# Altium PCB IDC_MCX_Adapter.PCBDOC (part 2 of 2)
Units mm, origin at the board's own origin, x right, y up, seen from the top; angles counter-clockwise.
Board outline 125.1 x 100.1 mm, 4 copper layers (L1, L2, L3, L4), stack 1.527 mm thick; 264 components, 197 nets, 810 pads, 0 vias.
Unrouted connection lines stored in the file: 146.
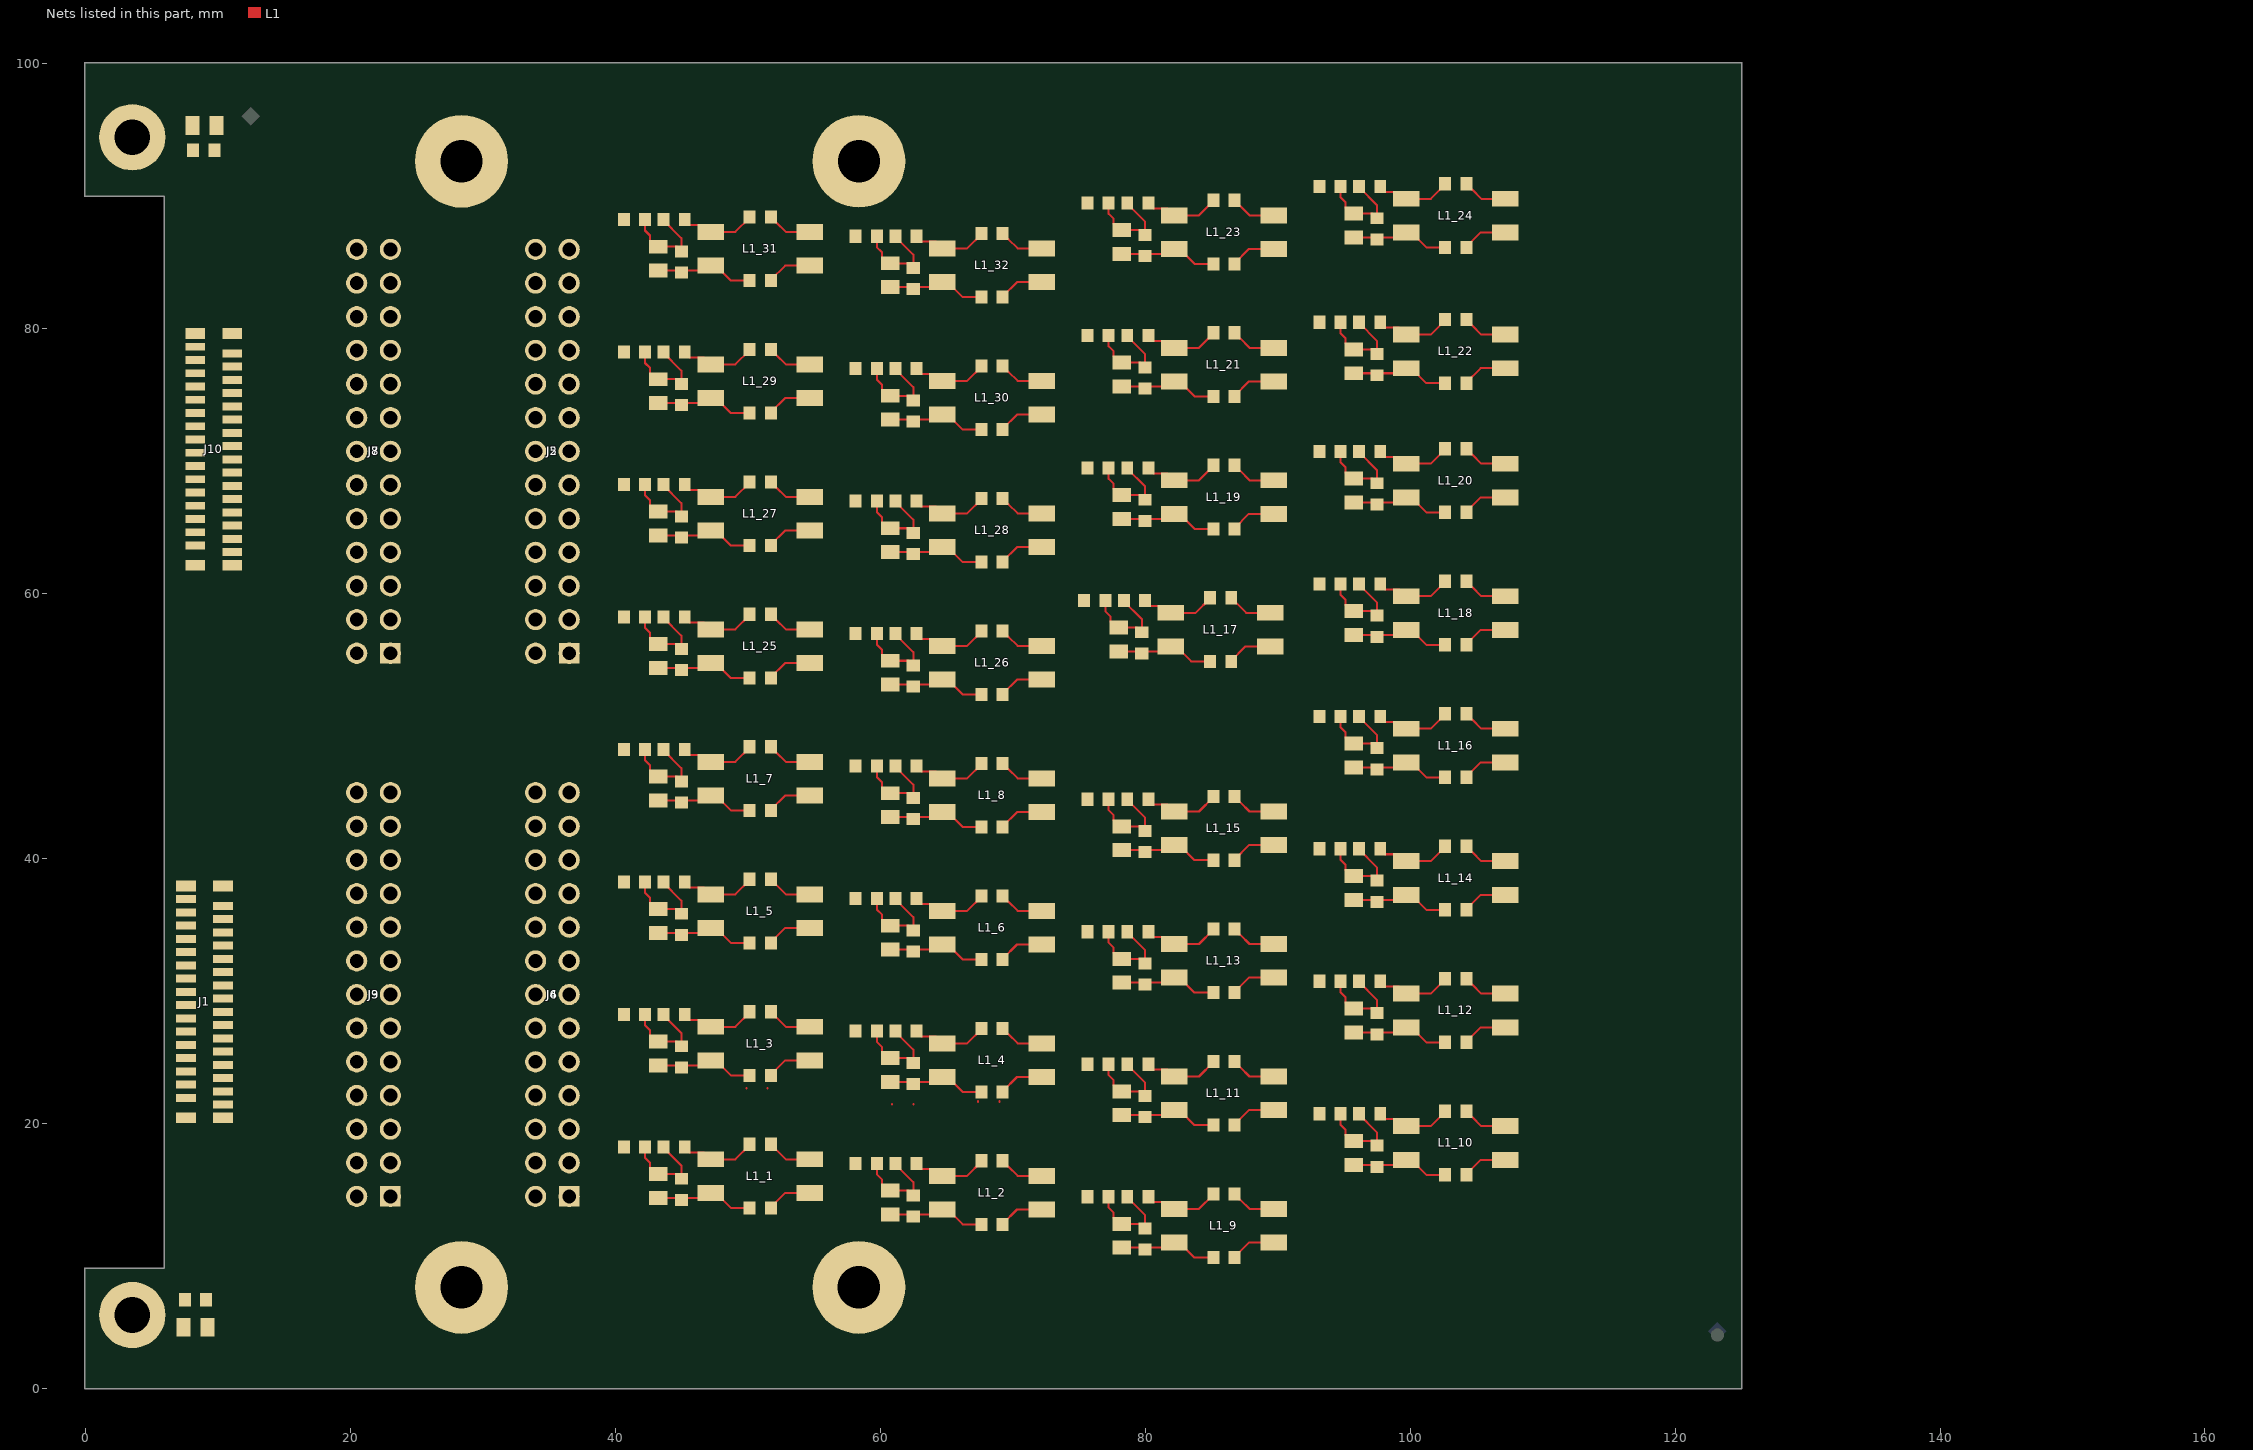
[diagram p3: the nets of this part, all layers, seen from the top]

## Part data
B1 B7: library part PLATED_HOLE2.7_PAD5.0, "Single Terminal Socket", Author="CERN DEM JMW", ComponentHeight=0mm, Component Type="Standard (No BOM)", CreateDate=27.09.2011, Family="Plated Hole", HelpURL=Undefined, LatestRevisionDate=27.09.2011, Mounted=No, PackageDescription="Plated Through Hole: Hole Dia.=2.7mm Pad Dia.=5.0mm", Part Description="Plated Through Hole: Hole Dia.=2.7mm Pad Dia.=5.0mm", Part Number=PLATED_HOLE2.7_PAD5.0, Pin Count=1, Sense=No, SMD=No, Socket=No, Status=None
B2 B3 B4 B5: library part PLATED_HOLE3.2_PAD7.0, "Single Terminal Socket", Author="CERN DEM JMW", Component Type="Standard (No BOM)", ComponentHeight=0mm, CreateDate=28.11.2017, Family="Plated Hole", HelpURL=Undefined, LatestRevisionDate=28.11.2017, Mounted=No, PackageDescription="Plated Through Hole: Hole Dia.=3.2mm Pad Dia.=7.0mm", Part Description="Plated Through Hole: Hole Dia.=3.2mm Pad Dia.=7.0mm", Part Number=PLATED_HOLE3.2_PAD7.0, Pin Count=1, Sense=No, SMD=No, Socket=No, Status=None
C1_1 C1_2 C1_3 C1_4 C1_5 C1_6 C1_7 C1_8 C1_9 C1_10 C1_11 C1_12 C1_13 C1_14 C1_15 C1_16 C1_17 C1_18 C1_19 C1_20 C1_21 C1_22 C1_23 C1_24 C1_25 C1_26 C1_27 C1_28 C1_29 C1_30 C1_31 C1_32 C11 C15: library part CC0805_NO-VALUE, "Non-polarised capacitor", Case=0805, Manufacturer1 ComponentHeight=1.35mm, Author="CERN DEM JLC", Component Type=Standard, CreateDate=10.12.2008, HelpURL=Undefined, LatestRevisionDate=11.09.2013, Manufacturer=Undefined, Manufacturer Part Number=CC0805_NO-VALUE, Mounted=No, Part Description="Reserved Footprint For 0805(2012) Chip Ceramic Capacitor", Part Number=CC0805_NO-VALUE, Pin Count=2, Sense=No, SMD=Yes, Socket=No, Status=None
FTG1: library part FIDUCIAL_TARGET_C100-200, "Fiducial Target", Author="CERN DEM JLC", ComponentHeight=0mm, Component Type="Standard (No BOM)", CreateDate=09.02.2010, Family=Fiducial, HelpURL=Undefined, LatestRevisionDate=04.04.2012, Mounted=No, PackageDescription="Round Fiducial Target, Top Layer, 1.0mm, Top Solder 2.0mm, Keepout =2.0mm", Part Description="Round Fiducial Target, Top Layer, 1.0mm, Top Solder 2.0mm, Keepout =2.0mm", Part Number=FIDUCIAL_TARGET_C100-200, Pin Count=1, Sense=No, SMD=Yes, Socket=No, Status=None
FTG2 FTG3 FTG4: library part FIDUCIAL_TARGET_S100-200, "Fiducial Target", Author="CERN DEM JLC", ComponentHeight=0mm, Component Type="Standard (No BOM)", CreateDate=09.02.2010, Family=Fiducial, HelpURL=Undefined, LatestRevisionDate=04.04.2012, Mounted=No, PackageDescription="Square Fiducial Target, Top Layer, 1.0mm, Top Solder 2.0mm, Keepout =2.0mm", Part Description="Square Fiducial Target, Top Layer, 1.0mm, Top Solder 2.0mm, Keepout =2.0mm", Part Number=FIDUCIAL_TARGET_S100-200, Pin Count=1, Sense=No, SMD=Yes, Socket=No, Status=None
J1 J10: library part CMP-1241-00306-1, "0.5 mm Pitch Easy-On(TM) Type FPC Connector, 3.9 mm Mated Height, Vertical, ZIF, SMT, 32 Circuits, -40 to 85 degC, ELV and RoHS Compliant, Tape and Reel", Current (Max per Contact)=0.5A, Manufacturer=Molex, Voltage (Max)="50V AC (RMS)/DC", Circuits (Loaded)=32, ComponentLink1Description="Manufacturer URL", ComponentLink1URL=http://www.molex.com/molex/index.jsp, ComponentLink2Description=Datasheet, ComponentLink2URL=http://www.molex.com/webdocs/datasheets/pdf/en-us/0525593252_FFC_FPC_CONNECTORS.pdf, ComponentLink3Description="Package Specification", ComponentLink3URL=http://www.molex.com/pdm_docs/sd/525593252_sd.pdf, Contact Position=N/A, Durability (mating cycles max)=20, Entry Angle=Vertical, Mated Height=3.90mm, Material - Metal="Phosphor Bronze", Material - Plating Mating=Gold, Material - Plating Termination=Tin, Mounting Technology="Surface Mount", Number of Rows=1, Orientation=Vertical, PackageDescription="32-Lead FPC Connector, Pitch 0.5 mm", PackageReference=52559-3252, PackageVersion="Rev. B, 12/2011", Packing="Tape and Reel", PartNumber=52559-3252, PCB Locator=No, PCB Retention=Yes, Pitch - Mating Interface=0.50mm, Polarized to PCB=No, RoHS=TRUE, Stackable=No
J2 J6 J8 J9: library part CMP-1023-00053-1, "Elevated Socket, Through-hole, Vertical, -55 to 125 degC, 2.54 mm Pitch, 26-Pin, Female, RoHS", Manufacturer=Samtec, Temperature Range="-55 to 125 degC", ComponentLink1Description="Manufacturer URL", ComponentLink1URL=http://www.samtec.com, ComponentLink2Description=Datasheet, ComponentLink2URL=http://www.samtec.com/documents/webfiles/pdf/ESW_TH.PDF, ComponentLink3Description="Package Specification", ComponentLink3URL=http://www.samtec.com/documents/webfiles/cpdf/ESW-1XX-XX-X-X-XX-XX-MKT.pdf, DatasheetVersion=F-214, Mounting Technology=Through-hole, Orientation=Vertical, PackageDescription="ESW Strip ASM", PackageReference=ESW-113-23-X-D, PackageVersion="AV, 7/1985", PartNumber=ESW-113-23-L-D, Pitch="2.54 mm", RoHS=True
J3 J4 J5 J7: library part 3M_N2526-6002RB, "Connector 26 Male", Manufacturer=3M, Manufacturer Part Number=N2526-6002RB, Author="CERN DEM JLC", ComponentHeight=10.03mm, Component Type=Standard, CreateDate=11.02.2009, Family="Header 26", HelpURL=\\cern.ch\dfs\Applications\Altium\Datasheets\3M_N2526-6002RB.pdf, LatestRevisionDate=11.08.2009, Mounted=Yes, Part Description="26 Contacts - Straight .100'' x .100'' Low Profile Four-Wall Header, 2500 Series", Part Number=3M_N2526-6002RB, Pin Count=26, PressFit=No, Sense=No, SMD=No, Socket=No, Status=None
L1_1 L1_2 L1_3 L1_4 L1_5 L1_6 L1_7 L1_8 L1_9 L1_10 L1_11 L1_12 L1_13 L1_14 L1_15 L1_16 L1_17 L1_18 L1_19 L1_20 L1_21 L1_22 L1_23 L1_24 L1_25 L1_26 L1_27 L1_28 L1_29 L1_30 L1_31 L1_32: library part IND_6.5MH_50%_WURTH_WE-SL2-744229, "Inductor Common Mode", Manufacturer="WURTH ELEKTRONIK", Manufacturer Part Number=744229, Power=400mA, Resistance=0.95R, Tolerance=±50%, Author="CERN DEM JLC", Component Type=Standard, ComponentHeight=5.3mm, CreateDate=01.10.2012, HelpURL=\\cern.ch\dfs\Applications\Altium\Datasheets\IND_WURTH_WE-SL2_744229.pdf, LatestRevisionDate=15.10.2012, Mounted=Yes, Part Description="Common Mode SMD Line Filter (WE-SL2 Serie)", Part Number=IND_6.5MH_50%_WURTH_WE-SL2-744229, Pin Count=4, Sense=No, SMD=Yes, Socket=No, Status=None
R1_1 R1_2 R1_3 R1_4 R1_5 R1_6 R1_7 R1_8 R1_9 R1_10 R1_11 R1_12 R1_13 R1_14 R1_15 R1_16 R1_17 R1_18 R1_19 R1_20 R1_21 R1_22 R1_23 R1_24 R1_25 R1_26 R1_27 R1_28 R1_29 R1_30 R1_31 R1_32 R2_1 R2_2 R2_3 R2_4 R2_5 R2_6 R2_7 R2_8 R2_9 R2_10 R2_11 R2_12 R2_13 R2_14 R2_15 R2_16 R2_17 R2_18 R2_19 R2_20 R2_21 R2_22 R2_23 R2_24 R2_25 R2_26 R2_27 R2_28 R2_29 R2_30 R2_31 R2_32 R3_1 R3_2 R3_3 R3_4 R3_5 R3_6 R3_7 R3_8 R3_9 R3_10 R3_11 R3_12 R3_13 R3_14 R3_15 R3_16 R3_17 R3_18 R3_19 R3_20 R3_21 R3_22 R3_23 R3_24 R3_25 R3_26 R3_27 R3_28 R3_29 R3_30 R3_31 R3_32 R5_1 R5_2 R5_3 R5_4 R5_5 R5_6 R5_7 R5_8 R5_9 R5_10 R5_11 R5_12 R5_13 R5_14 R5_15 R5_16 R5_17 R5_18 R5_19 R5_20 R5_21 R5_22 R5_23 R5_24 R5_25 R5_26 R5_27 R5_28 R5_29 R5_30 R5_31 R5_32 R17 R23: library part R0603_0R_JUMPER, "Resistor", Case=0603, Manufacturer=GENERIC, Manufacturer1 ComponentHeight=0.55mm, Manufacturer1 Example="NIC COMPONENT", Manufacturer1 Part Number=NRC06Z0, Author="CERN DEM JLC", Component Type=Standard, CreateDate=03.12.2007, HelpURL=\\cern.ch\dfs\Applications\Altium\Datasheets\R0603_NIC_NRC.pdf, LatestRevisionDate=13.03.2008, Manufacturer Part Number=R0603_0R_JUMPER, Mounted=Yes, Part Description="1A (0.05R Max DC Resistance) Zero Ohm Jumper", Part Number=R0603_0R_JUMPER, Pin Count=2, Sense=No, SMD=Yes, Socket=No, Status=Preferred
  R17 R23: PressFit=No
R4_1 R4_2 R4_3 R4_4 R4_5 R4_6 R4_7 R4_8 R4_9 R4_10 R4_11 R4_12 R4_13 R4_14 R4_15 R4_16 R4_17 R4_18 R4_19 R4_20 R4_21 R4_22 R4_23 R4_24 R4_25 R4_26 R4_27 R4_28 R4_29 R4_30 R4_31 R4_32: library part R0603_NO-VALUE, "Resistor", Case=0603, Author="CERN DEM JLC", Component Type=Standard, CreateDate=03.12.2007, HelpURL=Undefined, LatestRevisionDate=13.03.2008, Manufacturer=Undefined, Manufacturer1 ComponentHeight=Undefined, Manufacturer1 Example=Undefined, Manufacturer1 Part Number=Undefined, Manufacturer Part Number=R0603_NO-VALUE, Mounted=No, Part Description="Reserved Footprint For a 0603 (1608) Chip Resistor", Part Number=R0603_NO-VALUE, Pin Count=2, PressFit=No, Sense=No, SMD=Yes, Socket=No, Status=None
SCREW3 SCREW4 SCREW5 SCREW6 SCREW7 SCREW8 SCREW9 SCREW10: library part BOSSARD_BN5687-3061605_v, "Screw", Manufacturer=BOSSARD, Manufacturer Part Number="BN5687 Art.3061605", Author="CERN DEM JLC", Component Type=Mechanical, ComponentHeight=2.4mm, CreateDate=15.01.2013, HelpURL=\\cern.ch\dfs\Applications\Altium\Datasheets\BOSSARD_BN5687-3061605.pdf, LatestRevisionDate=15.01.2013, Mounted=Yes, PackageDescription="M3 L=6mm Hexalobular Socket Pan Head Screw, Fully Threaded - Stainless Steel A2", Part Description="M3 L=6mm Hexalobular Socket Pan Head Screw, Fully Threaded, Stainless Steel A2", Part Number=BOSSARD_BN5687-3061605_v, Pin Count=0, PressFit=No, Sense=No, SMD=No, Socket=No, Status=None
ST1 ST3 ST4 ST5: library part STANDOFF_HARWIN_R30_1001802, "M3.0x18 standoff", Manufacturer=Harwin, Manufacturer Part Number=R30-1001802
W1 W2 W3 W4: "M3 Washer: / ID: 3.2mm / OD: 6mm / Thickness 0.8mm", Manufacturer="Accu Limited", Manufacturer Part Number=HAFZ-M3-A4

## Nets (pads, with @x,y where several pads share a name; then routed paths per layer and width w, separated by ;. In a path a pad name is that pad's centre, name@x,y a point inside that pad or via, vN(x,y) a via of type N, cw(c..) or ccw(c..) an arc to the next point about the centre after c; other vN are vias at no path point)
GND: B2.1 B3.1 B4.1 B5.1 C11.2 C15.2 J1.MP1 J1.MP2 J1.MP3 J1.MP4 J2.3 J2.6 J2.9 J2.12 J2.15 J2.18 J2.21 J2.24 J3.3 J3.6 J3.9 J3.12 J3.15 J3.18 J3.21 J3.24 J4.3 J4.6 J4.9 J4.12 J4.15 J4.18 J4.21 J4.24 J5.3 J5.6 J5.9 J5.12 J5.15 J5.18 J5.21 J5.24 J6.3 J6.6 J6.9 J6.12 J6.15 J6.18 J6.21 J6.24 J7.3 J7.6 J7.9 J7.12 J7.15 J7.18 J7.21 J7.24 J8.3 J8.6 J8.9 J8.12 J8.15 J8.18 J8.21 J8.24 J9.3 J9.6 J9.9 J9.12 J9.15 J9.18 J9.21 J9.24 J10.MP1 J10.MP2 J10.MP3 J10.MP4 R17.1 R23.1
IN_N1: J3.2 J9.2 L1_1.3 R5_1.2 | length 3.4
  L1 w0.152: R5_1.2@51.75,13.6 51.75,13.65 52.83,14.73 L1_1.3@54.7,14.73
IN_N2: J3.5 J9.5 L1_2.3 R5_2.2 | length 3.4
  L1 w0.152: R5_2.2@69.25,12.35 69.25,12.4 70.33,13.48 L1_2.3@72.2,13.48
IN_N3: J3.8 J9.8 L1_3.3 R5_3.2 | length 3.4
  L1 w0.152: R5_3.2@51.75,23.6 51.75,23.65 52.83,24.73 L1_3.3@54.7,24.73
IN_N4: J3.11 J9.11 L1_4.3 R5_4.2 | length 3.4
  L1 w0.152: R5_4.2@69.25,22.35 69.25,22.4 70.33,23.48 L1_4.3@72.2,23.48
IN_N5: J3.14 J9.14 L1_5.3 R5_5.2 | length 3.4
  L1 w0.152: R5_5.2@51.75,33.6 51.75,33.65 52.83,34.73 L1_5.3@54.7,34.73
IN_N6: J3.17 J9.17 L1_6.3 R5_6.2 | length 3.4
  L1 w0.152: R5_6.2@69.25,32.35 69.25,32.4 70.33,33.48 L1_6.3@72.2,33.48
IN_N7: J3.20 J9.20 L1_7.3 R5_7.2 | length 3.4
  L1 w0.152: R5_7.2@51.75,43.6 51.75,43.65 52.83,44.73 L1_7.3@54.7,44.73
IN_N8: J3.23 J9.23 L1_8.3 R5_8.2 | length 3.4
  L1 w0.152: R5_8.2@69.25,42.35 69.25,42.4 70.33,43.48 L1_8.3@72.2,43.48
IN_N9: J4.2 J6.2 L1_9.3 R5_9.2 | length 3.4
  L1 w0.152: R5_9.2@86.75,9.85 86.75,9.9 87.83,10.98 L1_9.3@89.7,10.98
IN_N10: J4.5 J6.5 L1_10.3 R5_10.2 | length 3.4
  L1 w0.152: R5_10.2@104.25,16.1 104.25,16.15 105.33,17.23 L1_10.3@107.2,17.23
IN_N11: J4.8 J6.8 L1_11.3 R5_11.2 | length 3.4
  L1 w0.152: R5_11.2@86.75,19.85 86.75,19.9 87.83,20.98 L1_11.3@89.7,20.98
IN_N12: J4.11 J6.11 L1_12.3 R5_12.2 | length 3.4
  L1 w0.152: R5_12.2@104.25,26.1 104.25,26.15 105.33,27.23 L1_12.3@107.2,27.23
IN_N13: J4.14 J6.14 L1_13.3 R5_13.2 | length 3.4
  L1 w0.152: R5_13.2@86.75,29.85 86.75,29.9 87.83,30.98 L1_13.3@89.7,30.98
IN_N14: J4.17 J6.17 L1_14.3 R5_14.2 | length 3.4
  L1 w0.152: R5_14.2@104.25,36.1 104.25,36.15 105.33,37.23 L1_14.3@107.2,37.23
IN_N15: J4.20 J6.20 L1_15.3 R5_15.2 | length 3.4
  L1 w0.152: R5_15.2@86.75,39.85 86.75,39.9 87.83,40.98 L1_15.3@89.7,40.98
IN_N16: J4.23 J6.22 L1_16.3 R5_16.2 | length 3.4
  L1 w0.152: R5_16.2@104.25,46.1 104.25,46.15 105.33,47.23 L1_16.3@107.2,47.23
IN_N17: J2.2 J5.2 L1_17.3 R5_17.2 | length 3.4
  L1 w0.152: R5_17.2@86.5,54.85 86.5,54.9 87.58,55.98 L1_17.3@89.45,55.98
IN_N18: J2.5 J5.5 L1_18.3 R5_18.2 | length 3.4
  L1 w0.152: R5_18.2@104.25,56.1 104.25,56.15 105.33,57.23 L1_18.3@107.2,57.23
IN_N19: J2.8 J5.8 L1_19.3 R5_19.2 | length 3.4
  L1 w0.152: R5_19.2@86.75,64.85 86.75,64.9 87.83,65.98 L1_19.3@89.7,65.98
IN_N20: J2.11 J5.11 L1_20.3 R5_20.2 | length 3.4
  L1 w0.152: R5_20.2@104.25,66.1 104.25,66.15 105.33,67.23 L1_20.3@107.2,67.23
IN_N21: J2.14 J5.14 L1_21.3 R5_21.2 | length 3.4
  L1 w0.152: R5_21.2@86.75,74.85 86.75,74.9 87.83,75.98 L1_21.3@89.7,75.98
IN_N22: J2.17 J5.17 L1_22.3 R5_22.2 | length 3.4
  L1 w0.152: R5_22.2@104.25,75.85 104.25,75.9 105.33,76.98 L1_22.3@107.2,76.98
IN_N23: J2.20 J5.20 L1_23.3 R5_23.2 | length 3.4
  L1 w0.152: R5_23.2@86.75,84.85 86.75,84.9 87.83,85.98 L1_23.3@89.7,85.98
IN_N24: J2.23 J5.23 L1_24.3 R5_24.2 | length 3.4
  L1 w0.152: R5_24.2@104.25,86.1 104.25,86.15 105.33,87.23 L1_24.3@107.2,87.23
IN_N25: J7.2 J8.2 L1_25.3 R5_25.2 | length 3.4
  L1 w0.152: R5_25.2@51.75,53.6 51.75,53.65 52.83,54.73 L1_25.3@54.7,54.73
IN_N26: J7.5 J8.5 L1_26.3 R5_26.2 | length 3.4
  L1 w0.152: R5_26.2@69.25,52.35 69.25,52.4 70.33,53.48 L1_26.3@72.2,53.48
IN_N27: J7.8 J8.8 L1_27.3 R5_27.2 | length 3.4
  L1 w0.152: R5_27.2@51.75,63.6 51.75,63.65 52.83,64.73 L1_27.3@54.7,64.73
IN_N28: J7.11 J8.11 L1_28.3 R5_28.2 | length 3.4
  L1 w0.152: R5_28.2@69.25,62.35 69.25,62.4 70.33,63.48 L1_28.3@72.2,63.48
IN_N29: J7.14 J8.14 L1_29.3 R5_29.2 | length 3.4
  L1 w0.152: R5_29.2@51.75,73.6 51.75,73.65 52.83,74.73 L1_29.3@54.7,74.73
IN_N30: J7.17 J8.17 L1_30.3 R5_30.2 | length 3.4
  L1 w0.152: R5_30.2@69.25,72.35 69.25,72.4 70.33,73.48 L1_30.3@72.2,73.48
IN_N31: J7.20 J8.20 L1_31.3 R5_31.2 | length 3.4
  L1 w0.152: R5_31.2@51.75,83.6 51.75,83.65 52.83,84.73 L1_31.3@54.7,84.73
IN_N32: J7.23 J8.23 L1_32.3 R5_32.2 | length 3.4
  L1 w0.152: R5_32.2@69.25,82.35 69.25,82.4 70.33,83.48 L1_32.3@72.2,83.48
IN_P1: J3.1 J9.1 L1_1.4 R1_1.2 | length 3.4
  L1 w0.152: 51.5,22.6 51.5,22.65 ; R1_1.2@51.75,18.35 52.124,17.976 52.174,17.976 52.88,17.27 L1_1.4@54.7,17.27
IN_P2: J3.4 J9.4 L1_2.4 R1_2.2 | length 3.4
  L1 w0.152: R1_2.2@69.25,17.15 69.25,17.1 69.624,16.726 69.674,16.726 70.38,16.02 L1_2.4@72.2,16.02
IN_P3: J3.7 J9.7 L1_3.4 R1_3.2 | length 3.4
  L1 w0.152: R1_3.2@51.75,28.35 52.124,27.976 52.174,27.976 52.88,27.27 L1_3.4@54.7,27.27 ; 69,21.6 69,21.65
IN_P4: J3.10 J9.10 L1_4.4 R1_4.2 | length 3.4
  L1 w0.152: R1_4.2@69.25,27.15 69.25,27.1 69.624,26.726 69.674,26.726 70.38,26.02 L1_4.4@72.2,26.02
IN_P5: J3.13 J9.13 L1_5.4 R1_5.2 | length 3.4
  L1 w0.152: R1_5.2@51.75,38.4 51.75,38.35 52.124,37.976 52.174,37.976 52.88,37.27 L1_5.4@54.7,37.27
IN_P6: J3.16 J9.16 L1_6.4 R1_6.2 | length 3.4
  L1 w0.152: R1_6.2@69.25,37.15 69.25,37.1 69.624,36.726 69.674,36.726 70.38,36.02 L1_6.4@72.2,36.02
IN_P7: J3.19 J9.19 L1_7.4 R1_7.2 | length 3.4
  L1 w0.152: R1_7.2@51.75,48.4 51.75,48.35 52.124,47.976 52.174,47.976 52.88,47.27 L1_7.4@54.7,47.27
IN_P8: J3.22 J9.22 L1_8.4 R1_8.2 | length 3.4
  L1 w0.152: R1_8.2@69.25,47.15 69.25,47.1 69.624,46.726 69.674,46.726 70.38,46.02 L1_8.4@72.2,46.02
IN_P9: J4.1 J6.1 L1_9.4 R1_9.2 | length 3.4
  L1 w0.152: R1_9.2@86.75,14.65 86.75,14.6 87.124,14.226 87.174,14.226 87.88,13.52 L1_9.4@89.7,13.52
IN_P10: J4.4 J6.4 L1_10.4 R1_10.2 | length 3.4
  L1 w0.152: R1_10.2@104.25,20.9 104.25,20.85 104.624,20.476 104.674,20.476 105.38,19.77 L1_10.4@107.2,19.77
IN_P11: J4.7 J6.7 L1_11.4 R1_11.2 | length 3.4
  L1 w0.152: R1_11.2@86.75,24.65 86.75,24.6 87.124,24.226 87.174,24.226 87.88,23.52 L1_11.4@89.7,23.52
IN_P12: J4.10 J6.10 L1_12.4 R1_12.2 | length 3.4
  L1 w0.152: R1_12.2@104.25,30.9 104.25,30.85 104.624,30.476 104.674,30.476 105.38,29.77 L1_12.4@107.2,29.77
IN_P13: J4.13 J6.13 L1_13.4 R1_13.2 | length 3.4
  L1 w0.152: R1_13.2@86.75,34.65 86.75,34.6 87.124,34.226 87.174,34.226 87.88,33.52 L1_13.4@89.7,33.52
IN_P14: J4.16 J6.16 L1_14.4 R1_14.2 | length 3.4
  L1 w0.152: R1_14.2@104.25,40.9 104.25,40.85 104.624,40.476 104.674,40.476 105.38,39.77 L1_14.4@107.2,39.77
IN_P15: J4.19 J6.19 L1_15.4 R1_15.2 | length 3.4
  L1 w0.152: R1_15.2@86.75,44.65 86.75,44.6 87.124,44.226 87.174,44.226 87.88,43.52 L1_15.4@89.7,43.52
IN_P16: J4.22 J6.23 L1_16.4 R1_16.2 | length 3.4
  L1 w0.152: R1_16.2@104.25,50.9 104.25,50.85 104.624,50.476 104.674,50.476 105.38,49.77 L1_16.4@107.2,49.77
IN_P17: J2.1 J5.1 L1_17.4 R1_17.2 | length 3.4
  L1 w0.152: R1_17.2@86.5,59.65 86.5,59.6 86.874,59.226 86.924,59.226 87.63,58.52 L1_17.4@89.45,58.52
IN_P18: J2.4 J5.4 L1_18.4 R1_18.2 | length 3.4
  L1 w0.152: R1_18.2@104.25,60.9 104.25,60.85 104.624,60.476 104.674,60.476 105.38,59.77 L1_18.4@107.2,59.77
IN_P19: J2.7 J5.7 L1_19.4 R1_19.2 | length 3.4
  L1 w0.152: R1_19.2@86.75,69.65 86.75,69.6 87.124,69.226 87.174,69.226 87.88,68.52 L1_19.4@89.7,68.52
IN_P20: J2.10 J5.10 L1_20.4 R1_20.2 | length 3.4
  L1 w0.152: R1_20.2@104.25,70.9 104.25,70.85 104.624,70.476 104.674,70.476 105.38,69.77 L1_20.4@107.2,69.77
IN_P21: J2.13 J5.13 L1_21.4 R1_21.2 | length 3.4
  L1 w0.152: R1_21.2@86.75,79.65 86.75,79.6 87.124,79.226 87.174,79.226 87.88,78.52 L1_21.4@89.7,78.52
IN_P22: J2.16 J5.16 L1_22.4 R1_22.2 | length 3.4
  L1 w0.152: R1_22.2@104.25,80.65 104.25,80.6 104.624,80.226 104.674,80.226 105.38,79.52 L1_22.4@107.2,79.52
IN_P23: J2.19 J5.19 L1_23.4 R1_23.2 | length 3.4
  L1 w0.152: R1_23.2@86.75,89.65 86.75,89.6 87.124,89.226 87.174,89.226 87.88,88.52 L1_23.4@89.7,88.52
IN_P24: J2.22 J5.22 L1_24.4 R1_24.2 | length 3.4
  L1 w0.152: R1_24.2@104.25,90.9 104.25,90.85 104.624,90.476 104.674,90.476 105.38,89.77 L1_24.4@107.2,89.77
IN_P25: J7.1 J8.1 L1_25.4 R1_25.2 | length 3.4
  L1 w0.152: R1_25.2@51.75,58.4 51.75,58.35 52.124,57.976 52.174,57.976 52.88,57.27 L1_25.4@54.7,57.27
IN_P26: J7.4 J8.4 L1_26.4 R1_26.2 | length 3.4
  L1 w0.152: R1_26.2@69.25,57.15 69.25,57.1 69.624,56.726 69.674,56.726 70.38,56.02 L1_26.4@72.2,56.02
IN_P27: J7.7 J8.7 L1_27.4 R1_27.2 | length 3.4
  L1 w0.152: R1_27.2@51.75,68.4 51.75,68.35 52.124,67.976 52.174,67.976 52.88,67.27 L1_27.4@54.7,67.27
IN_P28: J7.10 J8.10 L1_28.4 R1_28.2 | length 3.4
  L1 w0.152: R1_28.2@69.25,67.15 69.25,67.1 69.624,66.726 69.674,66.726 70.38,66.02 L1_28.4@72.2,66.02
IN_P29: J7.13 J8.13 L1_29.4 R1_29.2 | length 3.4
  L1 w0.152: R1_29.2@51.75,78.4 51.75,78.35 52.124,77.976 52.174,77.976 52.88,77.27 L1_29.4@54.7,77.27
IN_P30: J7.16 J8.16 L1_30.4 R1_30.2 | length 3.4
  L1 w0.152: R1_30.2@69.25,77.15 69.25,77.1 69.624,76.726 69.674,76.726 70.38,76.02 L1_30.4@72.2,76.02
IN_P31: J7.19 J8.19 L1_31.4 R1_31.2 | length 3.4
  L1 w0.152: R1_31.2@51.75,88.4 51.75,88.35 52.124,87.976 52.174,87.976 52.88,87.27 L1_31.4@54.7,87.27
IN_P32: J7.22 J8.22 L1_32.4 R1_32.2 | length 3.4
  L1 w0.152: R1_32.2@69.25,87.15 69.25,87.1 69.624,86.726 69.674,86.726 70.38,86.02 L1_32.4@72.2,86.02